# EAGLE board RedBoard-Panel (EAGLE 9.6.2), part 2 of 6 (continued)
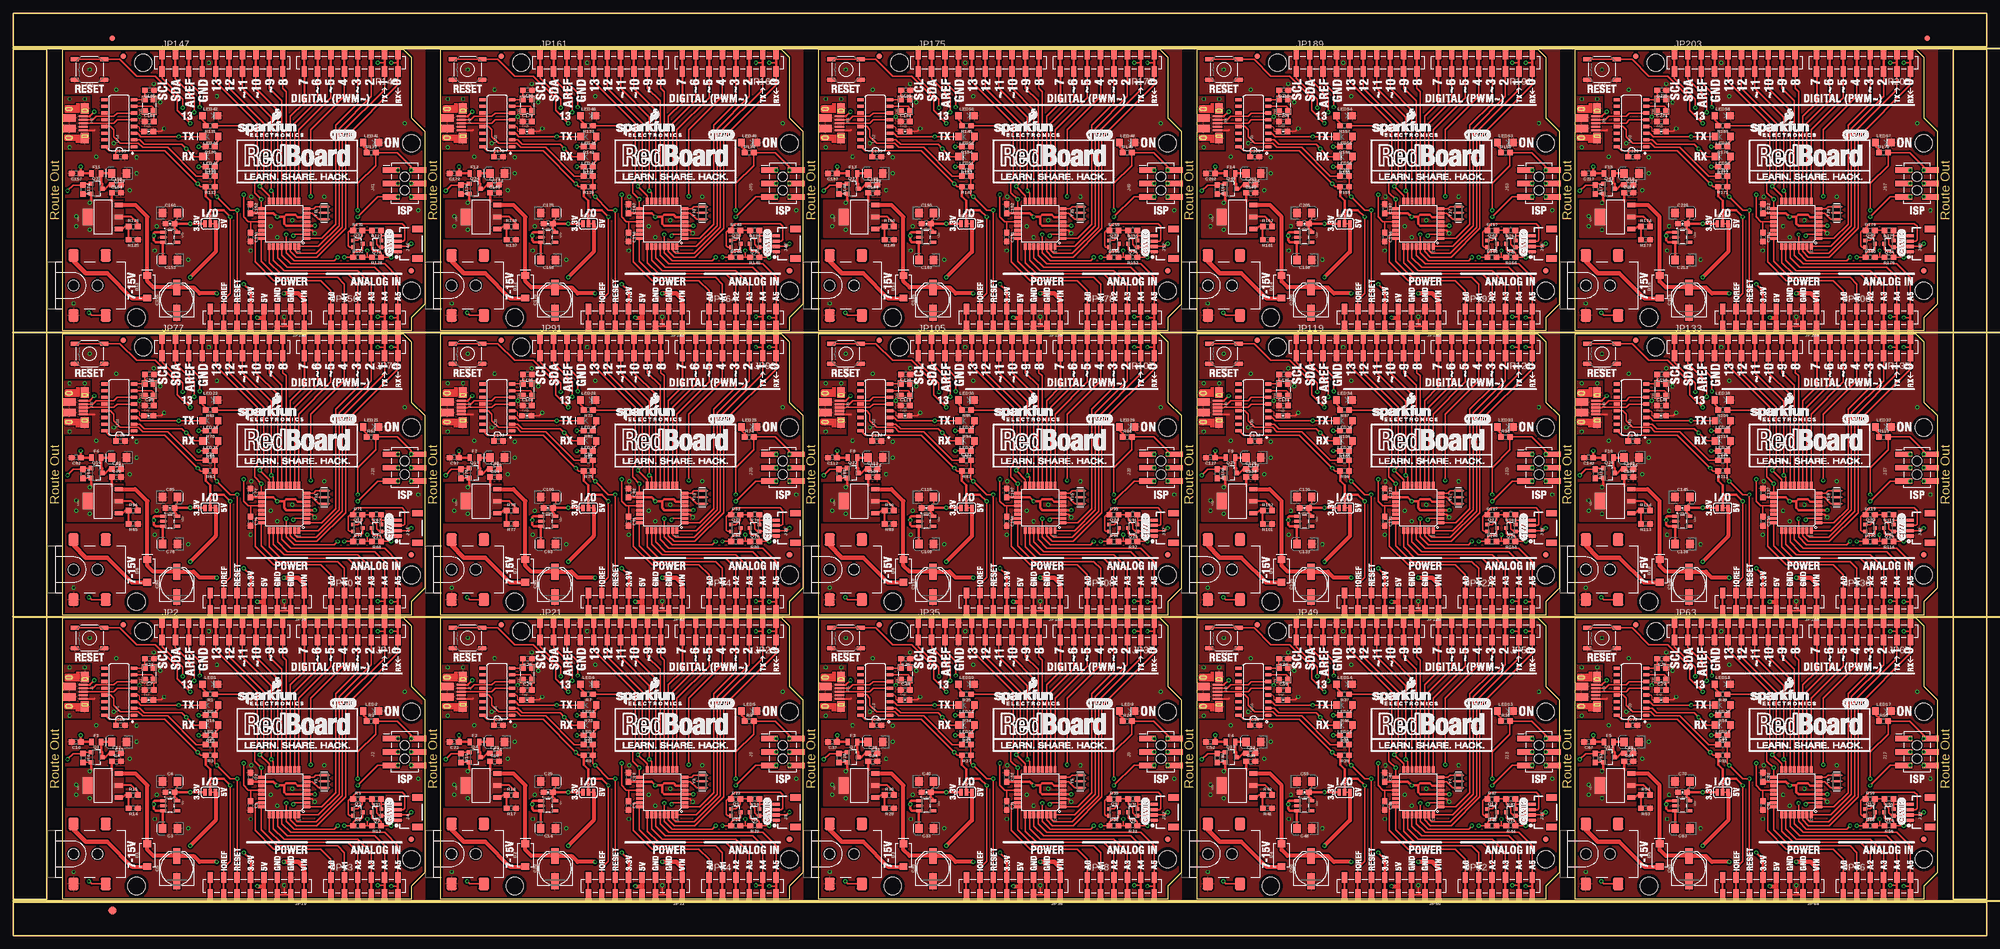
[diagram p0: board, top side]
## Nets (continued)
GND2: C31.2 C32.1 C33.- C34.2 C35.- C37.2 C38.2 C39.- C40.- C41.2 C42.2 C43.2 C44.1 C45.1 J9.6 J10.GND J11.GND J12.1 JP35.4A JP35.4B JP36.2 JP36.3 LED9.C LED10.C R29.1 S3.1 S3.2 TP15.P$1 U10.3 U10.5 U10.21 U11.2 U12.1 Y5.2 Y6.2 Y6.4
GND3: C46.2 C47.1 C48.- C49.2 C50.- C52.2 C53.2 C54.- C55.- C56.2 C57.2 C58.2 C59.1 C60.1 J13.6 J14.GND J15.GND J16.1 JP49.4A JP49.4B JP50.2 JP50.3 LED13.C LED14.C R41.1 S4.1 S4.2 TP21.P$1 U14.3 U14.5 U14.21 U15.2 U16.1 Y7.2 Y8.2 Y8.4
GND4: C61.2 C62.1 C63.- C64.2 C65.- C67.2 C68.2 C69.- C70.- C71.2 C72.2 C73.2 C74.1 C75.1 J17.6 J18.GND J19.GND J20.1 JP63.4A JP63.4B JP64.2 JP64.3 LED17.C LED18.C R53.1 S5.1 S5.2 TP27.P$1 U18.3 U18.5 U18.21 U19.2 U20.1 Y9.2 Y10.2 Y10.4
GND5: C76.2 C77.1 C78.- C79.2 C80.- C82.2 C83.2 C84.- C85.- C86.2 C87.2 C88.2 C89.1 C90.1 J21.6 J22.GND J23.GND J24.1 JP77.4A JP77.4B JP78.2 JP78.3 LED21.C LED22.C R65.1 S6.1 S6.2 TP33.P$1 U22.3 U22.5 U22.21 U23.2 U24.1 Y11.2 Y12.2 Y12.4
GND6: C91.2 C92.1 C93.- C94.2 C95.- C97.2 C98.2 C99.- C100.- C101.2 C102.2 C103.2 C104.1 C105.1 J25.6 J26.GND J27.GND J28.1 JP91.4A JP91.4B JP92.2 JP92.3 LED25.C LED26.C R77.1 S7.1 S7.2 TP39.P$1 U26.3 U26.5 U26.21 U27.2 U28.1 Y13.2 Y14.2 Y14.4
GND7: C106.2 C107.1 C108.- C109.2 C110.- C112.2 C113.2 C114.- C115.- C116.2 C117.2 C118.2 C119.1 C120.1 J29.6 J30.GND J31.GND J32.1 JP105.4A JP105.4B JP106.2 JP106.3 LED29.C LED30.C R89.1 S8.1 S8.2 TP45.P$1 U30.3 U30.5 U30.21 U31.2 U32.1 Y15.2 Y16.2 Y16.4
GND8: C121.2 C122.1 C123.- C124.2 C125.- C127.2 C128.2 C129.- C130.- C131.2 C132.2 C133.2 C134.1 C135.1 J33.6 J34.GND J35.GND J36.1 JP119.4A JP119.4B JP120.2 JP120.3 LED33.C LED34.C R101.1 S9.1 S9.2 TP51.P$1 U34.3 U34.5 U34.21 U35.2 U36.1 Y17.2 Y18.2 Y18.4
GND9: C136.2 C137.1 C138.- C139.2 C140.- C142.2 C143.2 C144.- C145.- C146.2 C147.2 C148.2 C149.1 C150.1 J37.6 J38.GND J39.GND J40.1 JP133.4A JP133.4B JP134.2 JP134.3 LED37.C LED38.C R113.1 S10.1 S10.2 TP57.P$1 U38.3 U38.5 U38.21 U39.2 U40.1 Y19.2 Y20.2 Y20.4
GND10: C151.2 C152.1 C153.- C154.2 C155.- C157.2 C158.2 C159.- C160.- C161.2 C162.2 C163.2 C164.1 C165.1 J41.6 J42.GND J43.GND J44.1 JP147.4A JP147.4B JP148.2 JP148.3 LED41.C LED42.C R125.1 S11.1 S11.2 TP63.P$1 U42.3 U42.5 U42.21 U43.2 U44.1 Y21.2 Y22.2 Y22.4
GND11: C166.2 C167.1 C168.- C169.2 C170.- C172.2 C173.2 C174.- C175.- C176.2 C177.2 C178.2 C179.1 C180.1 J45.6 J46.GND J47.GND J48.1 JP161.4A JP161.4B JP162.2 JP162.3 LED45.C LED46.C R137.1 S12.1 S12.2 TP69.P$1 U46.3 U46.5 U46.21 U47.2 U48.1 Y23.2 Y24.2 Y24.4
GND12: C181.2 C182.1 C183.- C184.2 C185.- C187.2 C188.2 C189.- C190.- C191.2 C192.2 C193.2 C194.1 C195.1 J49.6 J50.GND J51.GND J52.1 JP175.4A JP175.4B JP176.2 JP176.3 LED49.C LED50.C R149.1 S13.1 S13.2 TP75.P$1 U50.3 U50.5 U50.21 U51.2 U52.1 Y25.2 Y26.2 Y26.4
GND13: C196.2 C197.1 C198.- C199.2 C200.- C202.2 C203.2 C204.- C205.- C206.2 C207.2 C208.2 C209.1 C210.1 J53.6 J54.GND J55.GND J56.1 JP189.4A JP189.4B JP190.2 JP190.3 LED53.C LED54.C R161.1 S14.1 S14.2 TP81.P$1 U54.3 U54.5 U54.21 U55.2 U56.1 Y27.2 Y28.2 Y28.4
GND14: C211.2 C212.1 C213.- C214.2 C215.- C217.2 C218.2 C219.- C220.- C221.2 C222.2 C223.2 C224.1 C225.1 J57.6 J58.GND J59.GND J60.1 JP203.4A JP203.4B JP204.2 JP204.3 LED57.C LED58.C R173.1 S15.1 S15.2 TP87.P$1 U58.3 U58.5 U58.21 U59.2 U60.1 Y29.2 Y30.2 Y30.4
INSERT: J3.P$4 Q1.1 R4.1
INSERT1: J6.P$4 Q4.1 R10.1
INSERT2: J10.P$4 Q7.1 R28.1
INSERT3: J14.P$4 Q10.1 R40.1
INSERT4: J18.P$4 Q13.1 R52.1
INSERT5: J22.P$4 Q16.1 R64.1
INSERT6: J26.P$4 Q19.1 R76.1
INSERT7: J30.P$4 Q22.1 R88.1
INSERT8: J34.P$4 Q25.1 R100.1
INSERT9: J38.P$4 Q28.1 R112.1
INSERT10: J42.P$4 Q31.1 R124.1
INSERT11: J46.P$4 Q34.1 R136.1
INSERT12: J50.P$4 Q37.1 R148.1
INSERT13: J54.P$4 Q40.1 R160.1
INSERT14: J58.P$4 Q43.1 R172.1
IO1: JP23.3A JP23.3B U6.32
IO2: JP11.3A JP11.3B U4.32
IO3: JP11.4A JP11.4B U4.1
IO4: JP11.5A JP11.5B U4.2
IO5: JP11.6A JP11.6B U4.9
IO6: JP11.7A JP11.7B U4.10
IO7: JP11.8A JP11.8B U4.11
IO8: JP2.10A JP2.10B U4.12
IO9: JP2.9A JP2.9B U4.13
IO10: JP23.4A JP23.4B U6.1
IO11: JP23.5A JP23.5B U6.2
IO12: JP23.6A JP23.6B U6.9
IO13: JP23.7A JP23.7B U6.10
IO14: JP23.8A JP23.8B U6.11
IO15: JP21.10A JP21.10B U6.12
IO16: JP21.9A JP21.9B U6.13
IO17: JP37.3A JP37.3B U10.32
IO18: JP37.4A JP37.4B U10.1
IO19: JP37.5A JP37.5B U10.2
IO20: JP37.6A JP37.6B U10.9
IO21: JP37.7A JP37.7B U10.10
IO22: JP37.8A JP37.8B U10.11
IO23: JP35.10A JP35.10B U10.12
IO24: JP35.9A JP35.9B U10.13
IO25: JP51.3A JP51.3B U14.32
IO26: JP51.4A JP51.4B U14.1
IO27: JP51.5A JP51.5B U14.2
IO28: JP51.6A JP51.6B U14.9
IO29: JP51.7A JP51.7B U14.10
IO30: JP51.8A JP51.8B U14.11
IO31: JP49.10A JP49.10B U14.12
IO32: JP49.9A JP49.9B U14.13
IO33: JP65.3A JP65.3B U18.32
IO34: JP65.4A JP65.4B U18.1
IO35: JP65.5A JP65.5B U18.2
IO36: JP65.6A JP65.6B U18.9
IO37: JP65.7A JP65.7B U18.10
IO38: JP65.8A JP65.8B U18.11
IO39: JP63.10A JP63.10B U18.12
IO40: JP63.9A JP63.9B U18.13
IO41: JP79.3A JP79.3B U22.32
IO42: JP79.4A JP79.4B U22.1
IO43: JP79.5A JP79.5B U22.2
IO44: JP79.6A JP79.6B U22.9
IO45: JP79.7A JP79.7B U22.10
IO46: JP79.8A JP79.8B U22.11
IO47: JP77.10A JP77.10B U22.12
IO48: JP77.9A JP77.9B U22.13
IO49: JP93.3A JP93.3B U26.32
IO50: JP93.4A JP93.4B U26.1
IO51: JP93.5A JP93.5B U26.2
IO52: JP93.6A JP93.6B U26.9
IO53: JP93.7A JP93.7B U26.10
IO54: JP93.8A JP93.8B U26.11
IO55: JP91.10A JP91.10B U26.12
IO56: JP91.9A JP91.9B U26.13
IO57: JP107.3A JP107.3B U30.32
IO58: JP107.4A JP107.4B U30.1
IO59: JP107.5A JP107.5B U30.2
IO60: JP107.6A JP107.6B U30.9
IO61: JP107.7A JP107.7B U30.10
IO62: JP107.8A JP107.8B U30.11
IO63: JP105.10A JP105.10B U30.12
IO64: JP105.9A JP105.9B U30.13
IO65: JP121.3A JP121.3B U34.32
IO66: JP121.4A JP121.4B U34.1
IO67: JP121.5A JP121.5B U34.2
IO68: JP121.6A JP121.6B U34.9
IO69: JP121.7A JP121.7B U34.10
IO70: JP121.8A JP121.8B U34.11
IO71: JP119.10A JP119.10B U34.12
IO72: JP119.9A JP119.9B U34.13
IO73: JP135.3A JP135.3B U38.32
IO74: JP135.4A JP135.4B U38.1
IO75: JP135.5A JP135.5B U38.2
IO76: JP135.6A JP135.6B U38.9
IO77: JP135.7A JP135.7B U38.10
IO78: JP135.8A JP135.8B U38.11
IO79: JP133.10A JP133.10B U38.12
IO80: JP133.9A JP133.9B U38.13
IO81: JP149.3A JP149.3B U42.32
IO82: JP149.4A JP149.4B U42.1
IO83: JP149.5A JP149.5B U42.2
IO84: JP149.6A JP149.6B U42.9
IO85: JP149.7A JP149.7B U42.10
IO86: JP149.8A JP149.8B U42.11
IO87: JP147.10A JP147.10B U42.12
IO88: JP147.9A JP147.9B U42.13
IO89: JP163.3A JP163.3B U46.32
IO90: JP163.4A JP163.4B U46.1
IO91: JP163.5A JP163.5B U46.2
IO92: JP163.6A JP163.6B U46.9
IO93: JP163.7A JP163.7B U46.10
IO94: JP163.8A JP163.8B U46.11
IO95: JP161.10A JP161.10B U46.12
IO96: JP161.9A JP161.9B U46.13
IO97: JP177.3A JP177.3B U50.32
IO98: JP177.4A JP177.4B U50.1
IO99: JP177.5A JP177.5B U50.2
IO100: JP177.6A JP177.6B U50.9
IO101: JP177.7A JP177.7B U50.10
IO102: JP177.8A JP177.8B U50.11
IO103: JP175.10A JP175.10B U50.12
IO104: JP175.9A JP175.9B U50.13
IO105: JP191.3A JP191.3B U54.32
IO106: JP191.4A JP191.4B U54.1
IO107: JP191.5A JP191.5B U54.2
IO108: JP191.6A JP191.6B U54.9
IO109: JP191.7A JP191.7B U54.10
IO110: JP191.8A JP191.8B U54.11
IO111: JP189.10A JP189.10B U54.12
IO112: JP189.9A JP189.9B U54.13
IO113: JP205.3A JP205.3B U58.32
IO114: JP205.4A JP205.4B U58.1
IO115: JP205.5A JP205.5B U58.2
IO116: JP205.6A JP205.6B U58.9
IO117: JP205.7A JP205.7B U58.10
IO118: JP205.8A JP205.8B U58.11
IO119: JP203.10A JP203.10B U58.12
IO120: JP203.9A JP203.9B U58.13
LV_SCL: J4.4 Q2.2 R11.1
LV_SCL1: J8.4 Q5.2 R19.1
LV_SCL2: J12.4 Q8.2 R31.1
LV_SCL3: J16.4 Q11.2 R43.1
LV_SCL4: J20.4 Q14.2 R55.1
LV_SCL5: J24.4 Q17.2 R67.1
LV_SCL6: J28.4 Q20.2 R79.1
LV_SCL7: J32.4 Q23.2 R91.1
LV_SCL8: J36.4 Q26.2 R103.1
LV_SCL9: J40.4 Q29.2 R115.1
LV_SCL10: J44.4 Q32.2 R127.1
LV_SCL11: J48.4 Q35.2 R139.1
LV_SCL12: J52.4 Q38.2 R151.1
LV_SCL13: J56.4 Q41.2 R163.1
LV_SCL14: J60.4 Q44.2 R175.1
LV_SDA: J4.3 Q3.2 R5.1
LV_SDA1: J8.3 Q6.2 R23.1
LV_SDA2: J12.3 Q9.2 R35.1
LV_SDA3: J16.3 Q12.2 R47.1
LV_SDA4: J20.3 Q15.2 R59.1
LV_SDA5: J24.3 Q18.2 R71.1
LV_SDA6: J28.3 Q21.2 R83.1
LV_SDA7: J32.3 Q24.2 R95.1
LV_SDA8: J36.3 Q27.2 R107.1
LV_SDA9: J40.3 Q30.2 R119.1
LV_SDA10: J44.3 Q33.2 R131.1
LV_SDA11: J48.3 Q36.2 R143.1
LV_SDA12: J52.3 Q39.2 R155.1
LV_SDA13: J56.3 Q42.2 R167.1
LV_SDA14: J60.3 Q45.2 R179.1
MISO: J2.1 JP2.6A JP2.6B TP4.P$1 U4.16
MISO1: J5.1 JP21.6A JP21.6B TP10.P$1 U6.16
MISO2: J9.1 JP35.6A JP35.6B TP16.P$1 U10.16
MISO3: J13.1 JP49.6A JP49.6B TP22.P$1 U14.16
MISO4: J17.1 JP63.6A JP63.6B TP28.P$1 U18.16
MISO5: J21.1 JP77.6A JP77.6B TP34.P$1 U22.16
MISO6: J25.1 JP91.6A JP91.6B TP40.P$1 U26.16
MISO7: J29.1 JP105.6A JP105.6B TP46.P$1 U30.16
MISO8: J33.1 JP119.6A JP119.6B TP52.P$1 U34.16
MISO9: J37.1 JP133.6A JP133.6B TP58.P$1 U38.16
MISO10: J41.1 JP147.6A JP147.6B TP64.P$1 U42.16
MISO11: J45.1 JP161.6A JP161.6B TP70.P$1 U46.16
MISO12: J49.1 JP175.6A JP175.6B TP76.P$1 U50.16
MISO13: J53.1 JP189.6A JP189.6B TP82.P$1 U54.16
MISO14: J57.1 JP203.6A JP203.6B TP88.P$1 U58.16
MOSI: J2.4 JP2.7A JP2.7B TP2.P$1 U4.15
MOSI1: J5.4 JP21.7A JP21.7B TP8.P$1 U6.15
MOSI2: J9.4 JP35.7A JP35.7B TP14.P$1 U10.15
MOSI3: J13.4 JP49.7A JP49.7B TP20.P$1 U14.15
MOSI4: J17.4 JP63.7A JP63.7B TP26.P$1 U18.15
MOSI5: J21.4 JP77.7A JP77.7B TP32.P$1 U22.15
MOSI6: J25.4 JP91.7A JP91.7B TP38.P$1 U26.15
MOSI7: J29.4 JP105.7A JP105.7B TP44.P$1 U30.15
MOSI8: J33.4 JP119.7A JP119.7B TP50.P$1 U34.15
MOSI9: J37.4 JP133.7A JP133.7B TP56.P$1 U38.15
MOSI10: J41.4 JP147.7A JP147.7B TP62.P$1 U42.15
MOSI11: J45.4 JP161.7A JP161.7B TP68.P$1 U46.15
MOSI12: J49.4 JP175.7A JP175.7B TP74.P$1 U50.15
MOSI13: J53.4 JP189.7A JP189.7B TP80.P$1 U54.15
MOSI14: J57.4 JP203.7A JP203.7B TP86.P$1 U58.15
N$1: LED1.A R1.2
N$2: LED2.A R2.1
N$3: U4.7 Y1.1
N$4: U4.8 Y1.3
N$5: LED4.A R16.1
N$6: C17.1 U1.4
N$7: JP12.1 Q2.3 R13.1
N$8: JP14.1 Q3.3 R6.1
N$9: LED3.A R12.1
N$10: LED5.A R8.1
N$11: C11.2 U1.8 Y2.3
N$12: C7.2 U1.7 Y2.1
N$13: J1.D- U1.6
N$14: J1.D+ U1.5
N$15: R14.2 R15.1 U2.1
N$16: LED6.A R7.2
N$17: R17.2 R18.1 U5.1
N$18: U6.7 Y3.1
N$19: U6.8 Y3.3
N$20: LED8.A R22.1
N$21: LED7.A R21.1
N$22: J7.D- U8.6
N$23: J7.D+ U8.5
N$24: C27.1 U8.4
N$25: JP26.1 Q6.3 R24.1
N$26: JP25.1 Q5.3 R20.1
N$27: C30.2 U8.8 Y4.3
N$28: C29.2 U8.7 Y4.1
N$29: LED9.A R26.1
N$30: LED10.A R25.2
N$31: R29.2 R30.1 U9.1
N$32: U10.7 Y5.1
N$33: U10.8 Y5.3
N$34: LED12.A R34.1
N$35: LED11.A R33.1
N$36: J11.D- U12.6
N$37: J11.D+ U12.5
N$38: C42.1 U12.4
N$39: JP40.1 Q9.3 R36.1
N$40: JP39.1 Q8.3 R32.1
N$41: C45.2 U12.8 Y6.3
N$42: C44.2 U12.7 Y6.1
N$43: LED13.A R38.1
N$44: LED14.A R37.2
N$45: R41.2 R42.1 U13.1
N$46: U14.7 Y7.1
N$47: U14.8 Y7.3
N$48: LED16.A R46.1
N$49: LED15.A R45.1
N$50: J15.D- U16.6
N$51: J15.D+ U16.5
N$52: C57.1 U16.4
N$53: JP54.1 Q12.3 R48.1
N$54: JP53.1 Q11.3 R44.1
N$55: C60.2 U16.8 Y8.3
N$56: C59.2 U16.7 Y8.1
N$57: LED17.A R50.1
N$58: LED18.A R49.2
N$59: R53.2 R54.1 U17.1
N$60: U18.7 Y9.1
N$61: U18.8 Y9.3
N$62: LED20.A R58.1
N$63: LED19.A R57.1
N$64: J19.D- U20.6
N$65: J19.D+ U20.5
N$66: C72.1 U20.4
N$67: JP68.1 Q15.3 R60.1
N$68: JP67.1 Q14.3 R56.1
N$69: C75.2 U20.8 Y10.3
N$70: C74.2 U20.7 Y10.1
N$71: LED21.A R62.1
N$72: LED22.A R61.2
N$73: R65.2 R66.1 U21.1
N$74: U22.7 Y11.1
N$75: U22.8 Y11.3
N$76: LED24.A R70.1
N$77: LED23.A R69.1
N$78: J23.D- U24.6
N$79: J23.D+ U24.5
N$80: C87.1 U24.4
N$81: JP82.1 Q18.3 R72.1
N$82: JP81.1 Q17.3 R68.1
N$83: C90.2 U24.8 Y12.3
N$84: C89.2 U24.7 Y12.1
N$85: LED25.A R74.1
N$86: LED26.A R73.2
N$87: R77.2 R78.1 U25.1
N$88: U26.7 Y13.1
N$89: U26.8 Y13.3
N$90: LED28.A R82.1
N$91: LED27.A R81.1
N$92: J27.D- U28.6
N$93: J27.D+ U28.5
N$94: C102.1 U28.4
N$95: JP96.1 Q21.3 R84.1
N$96: JP95.1 Q20.3 R80.1
N$97: C105.2 U28.8 Y14.3
N$98: C104.2 U28.7 Y14.1
N$99: LED29.A R86.1
N$100: LED30.A R85.2
N$101: R89.2 R90.1 U29.1
N$102: U30.7 Y15.1
N$103: U30.8 Y15.3
N$104: LED32.A R94.1
N$105: LED31.A R93.1
N$106: J31.D- U32.6
N$107: J31.D+ U32.5
N$108: C117.1 U32.4
N$109: JP110.1 Q24.3 R96.1
N$110: JP109.1 Q23.3 R92.1
N$111: C120.2 U32.8 Y16.3
N$112: C119.2 U32.7 Y16.1
N$113: LED33.A R98.1
N$114: LED34.A R97.2
N$115: R101.2 R102.1 U33.1
N$116: U34.7 Y17.1
N$117: U34.8 Y17.3
N$118: LED36.A R106.1
N$119: LED35.A R105.1
N$120: J35.D- U36.6
N$121: J35.D+ U36.5
N$122: C132.1 U36.4
N$123: JP124.1 Q27.3 R108.1
N$124: JP123.1 Q26.3 R104.1
N$125: C135.2 U36.8 Y18.3
N$126: C134.2 U36.7 Y18.1
N$127: LED37.A R110.1
N$128: LED38.A R109.2
N$129: R113.2 R114.1 U37.1
N$130: U38.7 Y19.1
N$131: U38.8 Y19.3
N$132: LED40.A R118.1
N$133: LED39.A R117.1
N$134: J39.D- U40.6
N$135: J39.D+ U40.5
N$136: C147.1 U40.4
N$137: JP138.1 Q30.3 R120.1
N$138: JP137.1 Q29.3 R116.1
N$139: C150.2 U40.8 Y20.3
N$140: C149.2 U40.7 Y20.1
N$141: LED41.A R122.1
N$142: LED42.A R121.2
N$143: R125.2 R126.1 U41.1
N$144: U42.7 Y21.1
N$145: U42.8 Y21.3
N$146: LED44.A R130.1
N$147: LED43.A R129.1
N$148: J43.D- U44.6
N$149: J43.D+ U44.5
N$150: C162.1 U44.4
N$151: JP152.1 Q33.3 R132.1
N$152: JP151.1 Q32.3 R128.1
N$153: C165.2 U44.8 Y22.3
N$154: C164.2 U44.7 Y22.1
N$155: LED45.A R134.1
N$156: LED46.A R133.2
N$157: R137.2 R138.1 U45.1
N$158: U46.7 Y23.1
N$159: U46.8 Y23.3
N$160: LED48.A R142.1
N$161: LED47.A R141.1
N$162: J47.D- U48.6
N$163: J47.D+ U48.5
N$164: C177.1 U48.4
N$165: JP166.1 Q36.3 R144.1
N$166: JP165.1 Q35.3 R140.1
N$167: C180.2 U48.8 Y24.3
N$168: C179.2 U48.7 Y24.1
N$169: LED49.A R146.1
N$170: LED50.A R145.2
N$171: R149.2 R150.1 U49.1
N$172: U50.7 Y25.1
N$173: U50.8 Y25.3
N$174: LED52.A R154.1
N$175: LED51.A R153.1
N$176: J51.D- U52.6
N$177: J51.D+ U52.5
N$178: C192.1 U52.4
N$179: JP180.1 Q39.3 R156.1
N$180: JP179.1 Q38.3 R152.1
N$181: C195.2 U52.8 Y26.3
N$182: C194.2 U52.7 Y26.1
N$183: LED53.A R158.1
N$184: LED54.A R157.2
N$185: R161.2 R162.1 U53.1
N$186: U54.7 Y27.1
N$187: U54.8 Y27.3
N$188: LED56.A R166.1
N$189: LED55.A R165.1
N$190: J55.D- U56.6
N$191: J55.D+ U56.5
N$192: C207.1 U56.4
N$193: JP194.1 Q42.3 R168.1
N$194: JP193.1 Q41.3 R164.1
N$195: C210.2 U56.8 Y28.3
N$196: C209.2 U56.7 Y28.1
N$197: LED57.A R170.1
N$198: LED58.A R169.2
N$199: R173.2 R174.1 U57.1
N$200: U58.7 Y29.1
N$201: U58.8 Y29.3
N$202: LED60.A R178.1
N$203: LED59.A R177.1
N$204: J59.D- U60.6
N$205: J59.D+ U60.5
N$206: C222.1 U60.4
N$207: JP208.1 Q45.3 R180.1
N$208: JP207.1 Q44.3 R176.1
N$209: C225.2 U60.8 Y30.3
N$210: C224.2 U60.7 Y30.1
PWRIN: D1.A J3.VIN0
PWRIN1: D2.A J6.VIN0
PWRIN2: D3.A J10.VIN0
PWRIN3: D4.A J14.VIN0
PWRIN4: D5.A J18.VIN0
PWRIN5: D6.A J22.VIN0
PWRIN6: D7.A J26.VIN0
PWRIN7: D8.A J30.VIN0
PWRIN8: D9.A J34.VIN0
PWRIN9: D10.A J38.VIN0
PWRIN10: D11.A J42.VIN0
PWRIN11: D12.A J46.VIN0
PWRIN12: D13.A J50.VIN0
PWRIN13: D14.A J54.VIN0
PWRIN14: D15.A J58.VIN0
RESET: C8.2 J2.5 JP10.6 R3.1 S1.3 S1.4 TP6.P$1 U4.29
RESET1: C21.2 J5.5 JP22.6 R9.1 S2.3 S2.4 TP12.P$1 U6.29
RESET2: C36.2 J9.5 JP36.6 R27.1 S3.3 S3.4 TP18.P$1 U10.29
RESET3: C51.2 J13.5 JP50.6 R39.1 S4.3 S4.4 TP24.P$1 U14.29
RESET4: C66.2 J17.5 JP64.6 R51.1 S5.3 S5.4 TP30.P$1 U18.29
RESET5: C81.2 J21.5 JP78.6 R63.1 S6.3 S6.4 TP36.P$1 U22.29
RESET6: C96.2 J25.5 JP92.6 R75.1 S7.3 S7.4 TP42.P$1 U26.29
RESET7: C111.2 J29.5 JP106.6 R87.1 S8.3 S8.4 TP48.P$1 U30.29
RESET8: C126.2 J33.5 JP120.6 R99.1 S9.3 S9.4 TP54.P$1 U34.29
RESET9: C141.2 J37.5 JP134.6 R111.1 S10.3 S10.4 TP60.P$1 U38.29
RESET10: C156.2 J41.5 JP148.6 R123.1 S11.3 S11.4 TP66.P$1 U42.29
RESET11: C171.2 J45.5 JP162.6 R135.1 S12.3 S12.4 TP72.P$1 U46.29
RESET12: C186.2 J49.5 JP176.6 R147.1 S13.3 S13.4 TP78.P$1 U50.29
RESET13: C201.2 J53.5 JP190.6 R159.1 S14.3 S14.4 TP84.P$1 U54.29
RESET14: C216.2 J57.5 JP204.6 R171.1 S15.3 S15.4 TP90.P$1 U58.29
RX-I: JP11.1A JP11.1B LED3.C U1.2 U4.30
RX-I1: JP23.1A JP23.1B LED7.C U6.30 U8.2
RX-I2: JP37.1A JP37.1B LED11.C U10.30 U12.2
RX-I3: JP51.1A JP51.1B LED15.C U14.30 U16.2
RX-I4: JP65.1A JP65.1B LED19.C U18.30 U20.2
RX-I5: JP79.1A JP79.1B LED23.C U22.30 U24.2
RX-I6: JP93.1A JP93.1B LED27.C U26.30 U28.2
RX-I7: JP107.1A JP107.1B LED31.C U30.30 U32.2
RX-I8: JP121.1A JP121.1B LED35.C U34.30 U36.2
RX-I9: JP135.1A JP135.1B LED39.C U38.30 U40.2
RX-I10: JP149.1A JP149.1B LED43.C U42.30 U44.2
RX-I11: JP163.1A JP163.1B LED47.C U46.30 U48.2
RX-I12: JP177.1A JP177.1B LED51.C U50.30 U52.2
RX-I13: JP191.1A JP191.1B LED55.C U54.30 U56.2
RX-I14: JP205.1A JP205.1B LED59.C U58.30 U60.2
SCK: J2.3 JP2.5A JP2.5B R1.1 TP5.P$1 U4.17
SCK1: J5.3 JP21.5A JP21.5B R7.1 TP11.P$1 U6.17
SCK2: J9.3 JP35.5A JP35.5B R25.1 TP17.P$1 U10.17
SCK3: J13.3 JP49.5A JP49.5B R37.1 TP23.P$1 U14.17
SCK4: J17.3 JP63.5A JP63.5B R49.1 TP29.P$1 U18.17
SCK5: J21.3 JP77.5A JP77.5B R61.1 TP35.P$1 U22.17
SCK6: J25.3 JP91.5A JP91.5B R73.1 TP41.P$1 U26.17
SCK7: J29.3 JP105.5A JP105.5B R85.1 TP47.P$1 U30.17
SCK8: J33.3 JP119.5A JP119.5B R97.1 TP53.P$1 U34.17
SCK9: J37.3 JP133.5A JP133.5B R109.1 TP59.P$1 U38.17
SCK10: J41.3 JP147.5A JP147.5B R121.1 TP65.P$1 U42.17
SCK11: J45.3 JP161.5A JP161.5B R133.1 TP71.P$1 U46.17
SCK12: J49.3 JP175.5A JP175.5B R145.1 TP77.P$1 U50.17
SCK13: J53.3 JP189.5A JP189.5B R157.1 TP83.P$1 U54.17
SCK14: J57.3 JP203.5A JP203.5B R169.1 TP89.P$1 U58.17
SHLD: J1.SHIELD J1.SHIELD2 J1.SHIELD3 J1.SHIELD4 J1.SHIELD5 J1.SHIELD6 J1.SHIELD7 J1.SHIELD8 J1.SHIELD9 J1.SHIELD10
SHLD1: J7.SHIELD J7.SHIELD2 J7.SHIELD3 J7.SHIELD4 J7.SHIELD5 J7.SHIELD6 J7.SHIELD7 J7.SHIELD8 J7.SHIELD9 J7.SHIELD10
SHLD2: J11.SHIELD J11.SHIELD2 J11.SHIELD3 J11.SHIELD4 J11.SHIELD5 J11.SHIELD6 J11.SHIELD7 J11.SHIELD8 J11.SHIELD9 J11.SHIELD10
SHLD3: J15.SHIELD J15.SHIELD2 J15.SHIELD3 J15.SHIELD4 J15.SHIELD5 J15.SHIELD6 J15.SHIELD7 J15.SHIELD8 J15.SHIELD9 J15.SHIELD10
SHLD4: J19.SHIELD J19.SHIELD2 J19.SHIELD3 J19.SHIELD4 J19.SHIELD5 J19.SHIELD6 J19.SHIELD7 J19.SHIELD8 J19.SHIELD9 J19.SHIELD10
SHLD5: J23.SHIELD J23.SHIELD2 J23.SHIELD3 J23.SHIELD4 J23.SHIELD5 J23.SHIELD6 J23.SHIELD7 J23.SHIELD8 J23.SHIELD9 J23.SHIELD10
SHLD6: J27.SHIELD J27.SHIELD2 J27.SHIELD3 J27.SHIELD4 J27.SHIELD5 J27.SHIELD6 J27.SHIELD7 J27.SHIELD8 J27.SHIELD9 J27.SHIELD10
SHLD7: J31.SHIELD J31.SHIELD2 J31.SHIELD3 J31.SHIELD4 J31.SHIELD5 J31.SHIELD6 J31.SHIELD7 J31.SHIELD8 J31.SHIELD9 J31.SHIELD10
SHLD8: J35.SHIELD J35.SHIELD2 J35.SHIELD3 J35.SHIELD4 J35.SHIELD5 J35.SHIELD6 J35.SHIELD7 J35.SHIELD8 J35.SHIELD9 J35.SHIELD10
SHLD9: J39.SHIELD J39.SHIELD2 J39.SHIELD3 J39.SHIELD4 J39.SHIELD5 J39.SHIELD6 J39.SHIELD7 J39.SHIELD8 J39.SHIELD9 J39.SHIELD10
SHLD10: J43.SHIELD J43.SHIELD2 J43.SHIELD3 J43.SHIELD4 J43.SHIELD5 J43.SHIELD6 J43.SHIELD7 J43.SHIELD8 J43.SHIELD9 J43.SHIELD10
SHLD11: J47.SHIELD J47.SHIELD2 J47.SHIELD3 J47.SHIELD4 J47.SHIELD5 J47.SHIELD6 J47.SHIELD7 J47.SHIELD8 J47.SHIELD9 J47.SHIELD10
SHLD12: J51.SHIELD J51.SHIELD2 J51.SHIELD3 J51.SHIELD4 J51.SHIELD5 J51.SHIELD6 J51.SHIELD7 J51.SHIELD8 J51.SHIELD9 J51.SHIELD10
SHLD13: J55.SHIELD J55.SHIELD2 J55.SHIELD3 J55.SHIELD4 J55.SHIELD5 J55.SHIELD6 J55.SHIELD7 J55.SHIELD8 J55.SHIELD9 J55.SHIELD10
SHLD14: J59.SHIELD J59.SHIELD2 J59.SHIELD3 J59.SHIELD4 J59.SHIELD5 J59.SHIELD6 J59.SHIELD7 J59.SHIELD8 J59.SHIELD9 J59.SHIELD10
SS: JP2.8A JP2.8B U4.14
SS1: JP21.8A JP21.8B U6.14
SS2: JP35.8A JP35.8B U10.14
SS3: JP49.8A JP49.8B U14.14
SS4: JP63.8A JP63.8B U18.14
SS5: JP77.8A JP77.8B U22.14
SS6: JP91.8A JP91.8B U26.14
SS7: JP105.8A JP105.8B U30.14
SS8: JP119.8A JP119.8B U34.14
SS9: JP133.8A JP133.8B U38.14
SS10: JP147.8A JP147.8B U42.14
SS11: JP161.8A JP161.8B U46.14
SS12: JP175.8A JP175.8B U50.14
SS13: JP189.8A JP189.8B U54.14
SS14: JP203.8A JP203.8B U58.14
TX-O: JP11.2A JP11.2B LED4.C U1.3 U4.31
TX-O1: JP23.2A JP23.2B LED8.C U6.31 U8.3
TX-O2: JP37.2A JP37.2B LED12.C U10.31 U12.3
TX-O3: JP51.2A JP51.2B LED16.C U14.31 U16.3
TX-O4: JP65.2A JP65.2B LED20.C U18.31 U20.3
TX-O5: JP79.2A JP79.2B LED24.C U22.31 U24.3
TX-O6: JP93.2A JP93.2B LED28.C U26.31 U28.3
TX-O7: JP107.2A JP107.2B LED32.C U30.31 U32.3
TX-O8: JP121.2A JP121.2B LED36.C U34.31 U36.3
TX-O9: JP135.2A JP135.2B LED40.C U38.31 U40.3
TX-O10: JP149.2A JP149.2B LED44.C U42.31 U44.3
TX-O11: JP163.2A JP163.2B LED48.C U46.31 U48.3
TX-O12: JP177.2A JP177.2B LED52.C U50.31 U52.3
TX-O13: JP191.2A JP191.2B LED56.C U54.31 U56.3
TX-O14: JP205.2A JP205.2B LED60.C U58.31 U60.3
USBVCC: C12.1 C15.+ F1.2 Q1.3
USBVCC1: C23.1 C24.+ F2.2 Q4.3
USBVCC2: C38.1 C39.+ F3.2 Q7.3
USBVCC3: C53.1 C54.+ F4.2 Q10.3
USBVCC4: C68.1 C69.+ F5.2 Q13.3
USBVCC5: C83.1 C84.+ F6.2 Q16.3
USBVCC6: C98.1 C99.+ F7.2 Q19.3
USBVCC7: C113.1 C114.+ F8.2 Q22.3
USBVCC8: C128.1 C129.+ F9.2 Q25.3
USBVCC9: C143.1 C144.+ F10.2 Q28.3
USBVCC10: C158.1 C159.+ F11.2 Q31.3
USBVCC11: C173.1 C174.+ F12.2 Q34.3
USBVCC12: C188.1 C189.+ F13.2 Q37.3
USBVCC13: C203.1 C204.+ F14.2 Q40.3
USBVCC14: C218.1 C219.+ F15.2 Q43.3
VCC: C2.2 C18.1 I/O.2 J2.2 JP10.7 R2.2 R3.2 R6.2 R12.2 R13.2 R16.2 TP1.P$1 U1.16 U4.4 U4.6 U4.18
VCC1: C13.2 C28.1 I/O1.2 J5.2 JP22.7 R8.2 R9.2 R20.2 R21.2 R22.2 R24.2 TP7.P$1 U6.4 U6.6 U6.18 U8.16
VCC2: C32.2 C43.1 I/O2.2 J9.2 JP36.7 R26.2 R27.2 R32.2 R33.2 R34.2 R36.2 TP13.P$1 U10.4 U10.6 U10.18 U12.16
VCC3: C47.2 C58.1 I/O3.2 J13.2 JP50.7 R38.2 R39.2 R44.2 R45.2 R46.2 R48.2 TP19.P$1 U14.4 U14.6 U14.18 U16.16
VCC4: C62.2 C73.1 I/O4.2 J17.2 JP64.7 R50.2 R51.2 R56.2 R57.2 R58.2 R60.2 TP25.P$1 U18.4 U18.6 U18.18 U20.16
VCC5: C77.2 C88.1 I/O5.2 J21.2 JP78.7 R62.2 R63.2 R68.2 R69.2 R70.2 R72.2 TP31.P$1 U22.4 U22.6 U22.18 U24.16
VCC6: C92.2 C103.1 I/O6.2 J25.2 JP92.7 R74.2 R75.2 R80.2 R81.2 R82.2 R84.2 TP37.P$1 U26.4 U26.6 U26.18 U28.16
VCC7: C107.2 C118.1 I/O7.2 J29.2 JP106.7 R86.2 R87.2 R92.2 R93.2 R94.2 R96.2 TP43.P$1 U30.4 U30.6 U30.18 U32.16
VCC8: C122.2 C133.1 I/O8.2 J33.2 JP120.7 R98.2 R99.2 R104.2 R105.2 R106.2 R108.2 TP49.P$1 U34.4 U34.6 U34.18 U36.16
VCC9: C137.2 C148.1 I/O9.2 J37.2 JP134.7 R110.2 R111.2 R116.2 R117.2 R118.2 R120.2 TP55.P$1 U38.4 U38.6 U38.18 U40.16
VCC10: C152.2 C163.1 I/O10.2 J41.2 JP148.7 R122.2 R123.2 R128.2 R129.2 R130.2 R132.2 TP61.P$1 U42.4 U42.6 U42.18 U44.16
VCC11: C167.2 C178.1 I/O11.2 J45.2 JP162.7 R134.2 R135.2 R140.2 R141.2 R142.2 R144.2 TP67.P$1 U46.4 U46.6 U46.18 U48.16
VCC12: C182.2 C193.1 I/O12.2 J49.2 JP176.7 R146.2 R147.2 R152.2 R153.2 R154.2 R156.2 TP73.P$1 U50.4 U50.6 U50.18 U52.16
VCC13: C197.2 C208.1 I/O13.2 J53.2 JP190.7 R158.2 R159.2 R164.2 R165.2 R166.2 R168.2 TP79.P$1 U54.4 U54.6 U54.18 U56.16
VCC14: C212.2 C223.1 I/O14.2 J57.2 JP204.7 R170.2 R171.2 R176.2 R177.2 R178.2 R180.2 TP85.P$1 U58.4 U58.6 U58.18 U60.16
VIN: C5.+ D1.C JP10.1 U2.3
VIN1: C20.+ D2.C JP22.1 U5.3
VIN2: C35.+ D3.C JP36.1 U9.3
VIN3: C50.+ D4.C JP50.1 U13.3
VIN4: C65.+ D5.C JP64.1 U17.3
VIN5: C80.+ D6.C JP78.1 U21.3
VIN6: C95.+ D7.C JP92.1 U25.3
VIN7: C110.+ D8.C JP106.1 U29.3
VIN8: C125.+ D9.C JP120.1 U33.3
VIN9: C140.+ D10.C JP134.1 U37.3
VIN10: C155.+ D11.C JP148.1 U41.3
VIN11: C170.+ D12.C JP162.1 U45.3
VIN12: C185.+ D13.C JP176.1 U49.3
VIN13: C200.+ D14.C JP190.1 U53.3
VIN14: C215.+ D15.C JP204.1 U57.3
VUSB: C10.1 F1.1 J1.VBUS
VUSB1: C22.1 F2.1 J7.VBUS
VUSB2: C37.1 F3.1 J11.VBUS
VUSB3: C52.1 F4.1 J15.VBUS
VUSB4: C67.1 F5.1 J19.VBUS
VUSB5: C82.1 F6.1 J23.VBUS
VUSB6: C97.1 F7.1 J27.VBUS
VUSB7: C112.1 F8.1 J31.VBUS
VUSB8: C127.1 F9.1 J35.VBUS
VUSB9: C142.1 F10.1 J39.VBUS
VUSB10: C157.1 F11.1 J43.VBUS
VUSB11: C172.1 F12.1 J47.VBUS
VUSB12: C187.1 F13.1 J51.VBUS
VUSB13: C202.1 F14.1 J55.VBUS
VUSB14: C217.1 F15.1 J59.VBUS

## Tracks (layer width: path | path; a pad name or v marks a point on that pad's centre or on a via)
3.3V  (via drill 0.38)
  Top 0.254: 44.96,11.05 JP10.5
  Top 0.305: C6.+ 31.12,28.07 30.57,27.52 C16.1 | Q3.1 65.29,24.02 66.13,24.85 R5.2 R11.2 67.98,24.98 68.83,24.13 68.83,23.24 69.36,22.72 Q2.1 71.23,22.72 71.38,22.87 J4.2 74.94,22.87 v75.44,23.37
  Top 0.508: JP10.5 44.96,14.48 v43.69,15.75 | I/O.1 v33.53,27.18 C16.1 30.57,26.33 30.99,25.91 30.99,25.62 U3.5
  Bottom 0.305: v43.69,15.75 44.58,14.86 60.58,14.86 67.82,7.62 72.39,7.62 72.9,8.13 72.9,20.83 v75.44,23.37
  Bottom 0.508: v33.53,27.18 33.53,25.91 v43.69,15.75
3.3V1  (via drill 0.38)
  Top 0.254: 116.59,11.05 JP22.5
  Top 0.305: C25.+ 102.75,28.07 102.2,27.52 C26.1 | Q6.1 136.92,24.02 137.76,24.85 R23.2 R19.2 139.61,24.98 140.46,24.13 140.46,23.24 140.98,22.72 Q5.1 142.86,22.72 143.01,22.87 J8.2 146.57,22.87 v147.07,23.37
  Top 0.508: JP22.5 116.59,14.48 v115.32,15.75 | I/O1.1 v105.16,27.18 C26.1 102.2,26.33 102.62,25.91 102.62,25.62 U7.5
  Bottom 0.305: v115.32,15.75 116.2,14.86 132.21,14.86 139.45,7.62 144.02,7.62 144.53,8.13 144.53,20.83 v147.07,23.37
  Bottom 0.508: v105.16,27.18 105.16,25.91 v115.32,15.75
3.3V2  (via drill 0.38)
  Top 0.254: 188.21,11.05 JP36.5
  Top 0.305: C40.+ 174.37,28.07 173.82,27.52 C41.1 | Q9.1 208.55,24.02 209.38,24.85 R35.2 R31.2 211.24,24.98 212.09,24.13 212.09,23.24 212.61,22.72 Q8.1 214.49,22.72 214.64,22.87 J12.2 218.19,22.87 v218.69,23.37
  Top 0.508: JP36.5 188.21,14.48 v186.94,15.75 | I/O2.1 v176.78,27.18 C41.1 173.82,26.33 174.24,25.91 174.24,25.62 U11.5
  Bottom 0.305: v186.94,15.75 187.83,14.86 203.84,14.86 211.07,7.62 215.65,7.62 216.15,8.13 216.15,20.83 v218.69,23.37
  Bottom 0.508: v176.78,27.18 176.78,25.91 v186.94,15.75
3.3V3  (via drill 0.38)
  Top 0.254: 259.84,11.05 JP50.5
  Top 0.305: C55.+ 246,28.07 245.45,27.52 C56.1 | Q12.1 280.18,24.02 281.01,24.85 R47.2 R43.2 282.87,24.98 283.72,24.13 283.72,23.24 284.24,22.72 Q11.1 286.12,22.72 286.27,22.87 J16.2 289.82,22.87 v290.32,23.37